# KiCad board austin.kicad_pcb (continued)
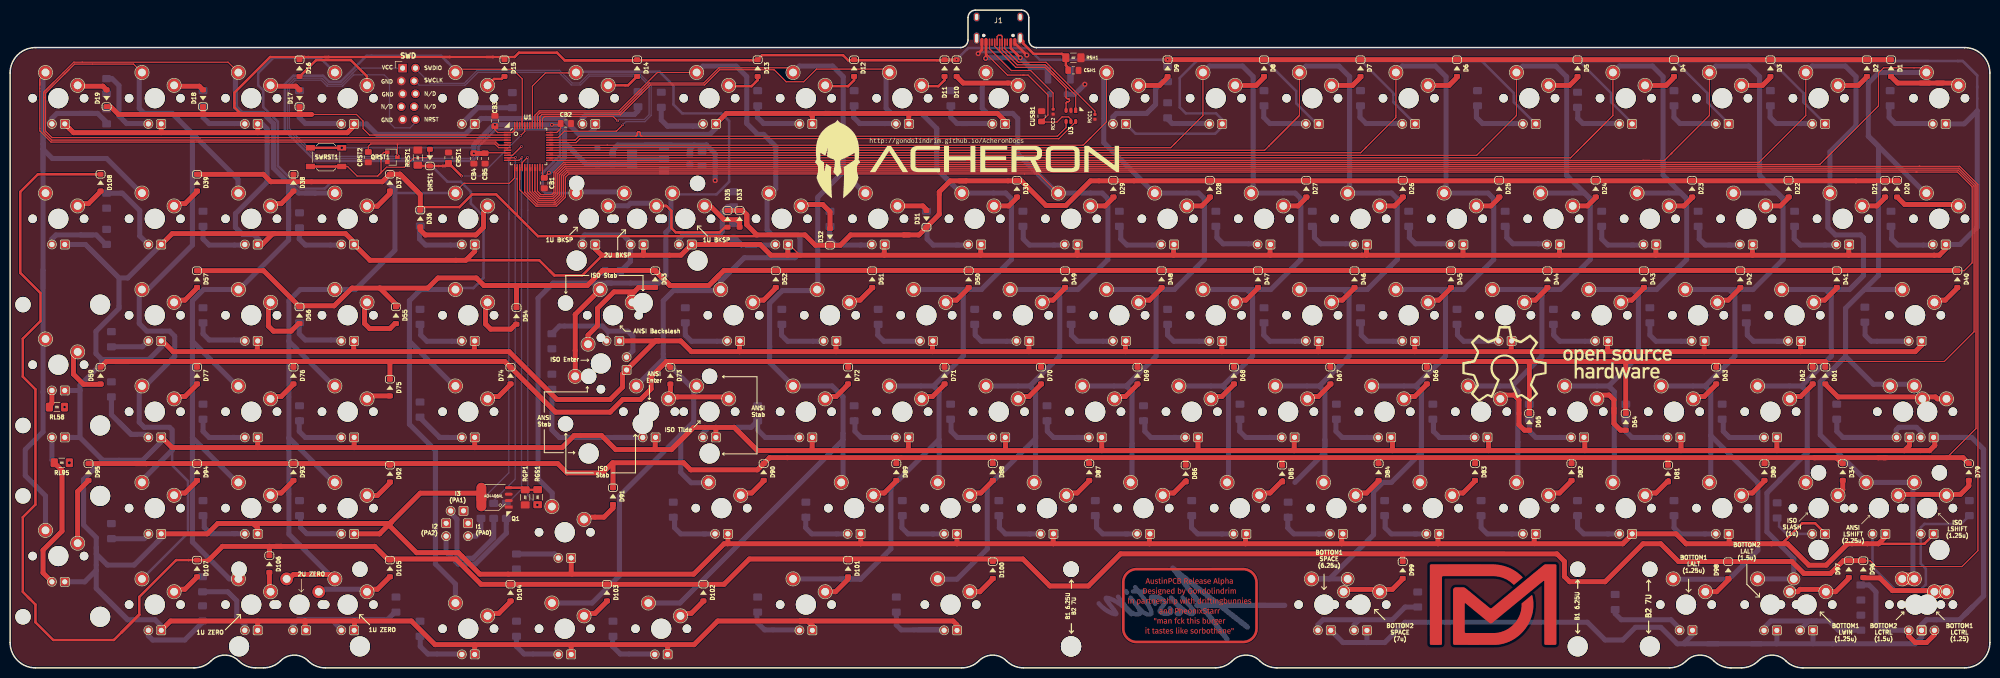
[diagram p0: board, top side]
## Routing (per net, layer and track width the routed paths; a pad name or vN(x,y) marks a point on that pad's centre or on a via; arc(x,y) is an arc through that point) (continued)
  Top w0.5: 132.25,86.01 131.45,86.01 130.61,86.85 130.61,90.26 129.63,91.24 129.43,91.24 ; 132.25,86.01 132,86.01 ; 132.25,86.01 140.15,86.01 141.15,87.01 ; 129.43,91.24 128.6,91.24 ; 129.43,91.24 SW34.2
  Bottom w1: 118.25,91.26 122,91.26 122.5,91.76 126.75,91.76
Net-(D36-Pad2): length 18.7
  Top w0.25: 93.5,90.01 94.3,90.81 SW36.2
  Top w1: 93.5,90.01 93.5,87.01 92,85.51 82,85.51 81,86.51 D36.2
Net-(D37-Pad2): length 5.9
  Top w0.25: 75.01,93.67 75,93.66
  Top w1: 75,93.66 72.53,91.19 70.62,91.19 ; D37.2 75.01,93.67
Net-(D38-Pad2): length 5.4
  Top w1: 56,94.16 53.53,91.69 51.62,91.69
Net-(D39-Pad2): length 5.4
  Top w1: 32.62,91.69 34.53,91.69 37,94.16
Net-(D40-Pad2): length 5.4
  Top w1: 380.28,72.64 382.19,72.64 384.66,75.11
Net-(D41-Pad2): length 5.4
  Top w1: 360.85,75.11 358.38,72.64 356.47,72.64
Net-(D42-Pad2): length 5.4
  Top w1: 337.42,72.64 339.33,72.64 341.8,75.11
Net-(D43-Pad2): length 5.4
  Top w1: 322.75,75.11 320.28,72.64 318.37,72.64
Net-(D44-Pad2): length 5.4
  Top w1: 299.32,72.64 301.23,72.64 303.7,75.11
Net-(D45-Pad2): length 5.4
  Top w1: 284.65,75.11 282.18,72.64 280.27,72.64
Net-(D46-Pad2): length 5.4
  Top w1: 261.22,72.64 263.13,72.64 265.6,75.11
Net-(D47-Pad2): length 5.4
  Top w1: 242.17,72.64 244.08,72.64 246.55,75.11
Net-(D48-Pad2): length 5.4
  Top w1: 227.5,75.11 225.03,72.64 223.12,72.64
Net-(D49-Pad2): length 5.4
  Top w1: 208.45,75.11 205.98,72.64 204.07,72.64
Net-(D50-Pad2): length 5.4
  Top w1: 189.4,75.11 186.93,72.64 185.02,72.64
Net-(D51-Pad2): length 5.4
  Top w1: 170.35,75.11 167.88,72.64 165.97,72.64
Net-(D52-Pad2): length 5.4
  Top w1: 146.92,72.64 148.83,72.64 151.3,75.11
Net-(D53-Pad2): length 25.3
  Top w1: 123.1,72.64 125.02,72.64 ; SW113.2 114.14,65.73 116,67.59 116,71.01 119.25,74.26 123.25,74.26 ; 123.25,74.26 124.13,75.14 D53.2 ; 123.25,74.26 122.31,73.32 122.31,72.19
Net-(D54-Pad2): length 12.2
  Top w1: 99.9,67.91 98.9,66.91 94.9,66.91 93.9,67.91 93.9,69.91 ; 93.9,69.91 93.9,70.91 ; 93.9,69.91 93.9,71.41 94.5,72.01
Net-(D55-Pad2): length 12.5
  Top w1: 76,68.01 75,67.01 71,67.01 70,68.01 70,69.51 ; 70,69.51 70,71.01 ; 70,69.51 70,71.51 70.5,72.01
Net-(D56-Pad2): length 10.5
  Top w1: 57,68.01 55.5,66.51 52,66.51 51,67.51 51,71.01
Net-(D57-Pad2): length 5.4
  Top w1: 32.62,72.64 34.53,72.64 37,75.11
Net-(D59-Pad2): length 11.1
  Top w1: SW59.2 12.5,61.58 12.5,58.01 14.5,56.01 18,56.01
Net-(D61-Pad2): length 24.9
  Top w0.25: SW60.2 376.87,53.14 376.5,53.51
  Top w1: 358.5,56.01 361,53.51 376.5,53.51 ; 378,53.51 380.26,53.51 380.63,53.14 SW61.2
Net-(D62-Pad2): length 5.4
  Top w1: 356.09,56.06 353.62,53.59 351.7,53.59
Net-(D63-Pad2): length 5.4
  Top w1: 337.04,56.06 334.56,53.59 332.65,53.59
Net-(D64-Pad2): length 12.9
  Top w1: 313.13,52.98 314.03,53.88 315.81,53.88 316.75,52.93 316.75,51.26 ; D64.2 318.06,46.95 316.75,48.26 316.75,51.26 ; 316.75,50.26 316.75,51.26
Net-(D65-Pad2): length 11.8
  Top w1: 294.38,52.98 295.28,53.88 297.06,53.88 298,52.93 298,48.01 299.06,46.95 D65.2
Net-(D66-Pad2): length 5.4
  Top w1: 275.5,53.59 277.42,53.59 279.89,56.06
Net-(D67-Pad2): length 5.4
  Top w1: 256.45,53.59 258.37,53.59 260.84,56.06
Net-(D68-Pad2): length 5.4
  Top w1: 241.79,56.06 239.31,53.59 237.4,53.59
Net-(D69-Pad2): length 5.4
  Top w1: 218.35,53.59 220.27,53.59 222.74,56.06
Net-(D70-Pad2): length 5.4
  Top w1: 199.3,53.59 201.22,53.59 203.69,56.06
Net-(D71-Pad2): length 5.4
  Top w1: 184.64,56.06 182.17,53.59 180.25,53.59
Net-(D72-Pad2): length 5.4
  Top w1: 165.59,56.06 163.12,53.59 161.2,53.59
Net-(D73-Pad2): length 15
  Top w1: D73.2 130.4,53.14 ; 130.02,53.51 141,53.51 141.37,53.14 SW114.2
Net-(D74-Pad2): length 5.4
  Top w1: 94.53,53.59 96.44,53.59 98.91,56.06
Net-(D75-Pad2): length 4.8
  Top w0.25: 71.2,53.71 70.5,53.01
  Top w1: D75.2 71.2,53.71
Net-(D76-Pad2): length 5.4
  Top w1: 56,56.06 53.53,53.59 51.62,53.59
Net-(D77-Pad2): length 5.4
  Top w1: 32.62,53.59 34.53,53.59 37,56.06
Net-(D79-Pad2): length 15.8
  Top w1: SW58.2 373.32,34.09 373.51,34.28 385.19,34.28 386.84,35.93 D79.2
Net-(D80-Pad2): length 5.4
  Top w1: 342.18,34.54 344.09,34.54 346.56,37.01
Net-(D81-Pad2): length 5.4
  Top w1: 327.51,37.01 325.04,34.54 323.13,34.54
Net-(D82-Pad2): length 5.4
  Top w1: 308.46,37.01 305.99,34.54 304.08,34.54
Net-(D83-Pad2): length 5.4
  Top w1: 289.41,37.01 286.94,34.54 285.03,34.54
Net-(D84-Pad2): length 5.4
  Top w1: 270.36,37.01 267.89,34.54 265.98,34.54
Net-(D85-Pad2): length 5.4
  Top w1: 246.93,34.54 248.84,34.54 251.31,37.01
Net-(D86-Pad2): length 5.4
  Top w1: 232.26,37.01 229.79,34.54 227.88,34.54
Net-(D87-Pad2): length 5.4
  Top w1: 208.83,34.54 210.74,34.54 213.21,37.01
Net-(D88-Pad2): length 5.4
  Top w1: 189.78,34.54 191.69,34.54 194.16,37.01
Net-(D89-Pad2): length 5.4
  Top w1: 170.73,34.54 172.64,34.54 175.11,37.01
Net-(D90-Pad2): length 5.4
  Top w1: 148.92,37.01 146.45,34.54 144.54,34.54
Net-(D91-Pad2): length 6.9
  Top w1: 113.58,29.77 117.29,29.77 119.06,31.55 D91.2
Net-(D92-Pad2): length 5.4
  Top w1: 75,36.51 72.53,34.04 70.62,34.04
Net-(D93-Pad2): length 5.4
  Top w1: 51.62,34.54 53.53,34.54 56,37.01
Net-(D94-Pad2): length 5.4
  Top w1: 32.62,34.54 34.53,34.54 37,37.01
Net-(D95-Pad2): length 13.3
  Top w1: SW95.2 13.34,34.84 15.5,37.01
Net-(D96-Pad2): length 16.8
  Top w0.25: 379.22,15.04 379,15.26
  Top w1: 366,17.76 369.25,17.76 371.75,15.26 379,15.26
  Top w2.54: SW109.2 382.5,15.04
Net-(D97-Pad2): length 14
  Top w0.5: SW97.2 357.47,15.04
  Top w1: SW97.2 360.53,15.04 363,17.51 ; 358.5,15.01 358,15.51 353.5,15.51 353.03,15.04 SW110.2
Net-(D98-Pad2): length 5.4
  Top w1: 335.12,15.04 337.03,15.04 339.5,17.51
Net-(D99-Pad2): length 12.5
  Top w1: 275,17.51 273,15.51 264,15.51 263.5,15.01
Net-(D100-Pad2): length 5.4
  Top w1: 189.62,15.04 191.53,15.04 194,17.51
Net-(D101-Pad2): length 5.4
  Top w1: 161.12,15.04 163.03,15.04 165.5,17.51
Net-(D102-Pad2): length 5.4
  Top w1: 132.62,10.77 134.53,10.77 137,13.25
Net-(D103-Pad2): length 5.4
  Top w1: 113.62,10.77 115.53,10.77 118,13.25
Net-(D104-Pad2): length 5.4
  Top w1: 94.62,10.77 96.53,10.77 99,13.25
Net-(D105-Pad2): length 14.4
  Top w1: 70.62,15.54 72.53,15.54 75,18.01
  Bottom w1: 61.5,15.51 70.5,15.51
Net-(D106-Pad2): length 3.6
  Top w1: D106.2 51.2,15.31
Net-(D107-Pad2): length 5.4
  Top w1: 37,18.01 34.53,15.54 32.62,15.54
Net-(D108-Pad2): length 5.4
  Top w1: 17.95,94.16 15.48,91.69 13.57,91.69
Net-(DRST1-Pad2): length 32.7
  Top w0.25: SWRST1.2 66.65,99.02 68.52,97.14 72.6,97.14 ; QRST1.1 73.79,101.82 73.25,101.28 73.25,97.8 72.6,97.14 ; 72.6,97.14 74.34,98.89 77.88,98.89 79.75,100.76 82.25,100.76 82.75,101.26 82.75,102.51
  Top w0.5: 65.18,99.02 SWRST1.2
Net-(J1-PadA5): length 25.4
  Top w0.25: J1.A5 196.43,122.32 199.14,119.62 204.6,119.62 214.25,109.97 214.25,109.33
Net-(J1-PadB5): length 21.2
  Top w0.25: J1.B5 193.43,122.28 197.74,117.97 201.55,117.97 205.99,113.53 205.99,110.35
Net-(LED1-PadA): length 11.3
  Bottom w1: 371.1,111.02 371.1,108.72 372.31,107.51 379.57,107.51
Net-(LED2-PadA): length 11.2
  Bottom w1: 353.62,107.51 355.76,107.51 ; 347.6,111.02 347.6,108.72 348.81,107.51 353.81,107.51
Net-(LED3-PadA): length 11.2
  Bottom w1: 328.6,111.02 328.6,108.72 329.81,107.51 337,107.51
Net-(LED4-PadA): length 10.5
  Bottom w1: 309.6,110.82 309.6,108.52 310.61,107.51 317.38,107.51
Net-(LED5-PadA): length 12.1
  Bottom w1: 289.6,111.02 289.6,108.72 290.81,107.51 298.85,107.51
Net-(LED6-PadA): length 11.2
  Bottom w1: 266.6,111.02 266.6,108.72 267.81,107.51 275,107.51
Net-(LED7-PadA): length 11
  Bottom w1: 247.6,111.02 247.6,108.72 248.81,107.51 255.75,107.51
Net-(LED8-PadA): length 8.9
  Bottom w1: 237,107.51 229.5,107.51 228.5,108.51
Net-(LED9-PadA): length 16.9
  Bottom w1: LED9.A 217.81,108.81 218.5,109.51 224.46,109.51 226.22,111.27 226.22,114.38 227.62,115.78 228.6,115.78
Net-(LED10-PadA): length 12
  Bottom w1: 194,107.51 189,107.51 ; 189,107.51 187,107.51 185.8,108.71 RL10.2 ; 189,107.51 188,107.51
Net-(LED11-PadA): length 11.2
  Bottom w1: 166.6,111.02 166.6,108.72 167.81,107.51 175,107.51
Net-(LED12-PadA): length 11
  Bottom w1: 153.81,107.51 148.81,107.51 147.6,108.72 147.6,111.02 ; 155,107.51 156,107.51 ; 154.09,107.51 155.09,107.51
Net-(LED13-PadA): length 17.2
  Bottom w1: 128.6,110.52 128.6,108.22 129.81,107.01 ; 129.81,107.01 135.81,107.01 ; 129.81,107.01 136.25,107.01 136.75,107.51
Net-(LED14-PadA): length 13.4
  Bottom w1: RL14.2 124,110.01 123.3,109.31 113.8,109.31 113,108.51 113,107.51
Net-(LED15-PadA): length 11.2
  Bottom w1: RL15.2 92.37,110.64 89.28,107.56
Net-(LED16-PadA): length 11.2
  Bottom w1: 57.1,111.02 57.1,108.72 58.31,107.51 65.48,107.51
Net-(LED17-PadA): length 11.1
  Bottom w1: RL17.2 38.1,108.72 39.31,107.51 46.43,107.51
Net-(LED18-PadA): length 16.1
  Bottom w1: RL18.2 20.13,116.38 21.5,115.01 21.5,109.01 23,107.51 25.75,107.51 ; 25.75,107.51 26.5,107.51 ; 25.75,107.51 27.25,107.51
Net-(LED19-PadA): length 15.6
  Bottom w1: LED19.A 8.25,108.51 9.25,109.51 13.67,109.51 ; 13.67,109.51 17.29,109.51 19.05,107.75 ; 13.67,109.51 16.25,109.51
Net-(LED20-PadA): length 12
  Bottom w1: 379,83.51 380,83.51 ; 371.6,87.02 371.6,84.72 372.81,83.51 379.81,83.51
Net-(LED21-PadA): length 12
  Bottom w1: 359.75,83.51 360.75,83.51 ; 358.56,83.51 353.56,83.51 352.35,84.72 352.35,87.02 ; 358.38,83.51 360.38,83.51
Net-(LED22-PadA): length 11
  Bottom w1: 339.81,83.51 334.81,83.51 333.6,84.72 333.6,87.02 ; 339.33,83.51 341.33,83.51
Net-(LED23-PadA): length 11
  Bottom w1: 314.35,87.02 314.35,84.72 315.56,83.51 320.56,83.51 ; 320.28,83.51 322.28,83.51
Net-(LED24-PadA): length 10.8
  Bottom w1: 295.6,87.27 295.6,84.97 296.81,83.76 303.61,83.76
Net-(LED25-PadA): length 10.8
  Bottom w1: 282.56,83.76 277.56,83.76 276.35,84.97 276.35,87.27 ; 282.76,83.76 284.56,83.76
Net-(LED26-PadA): length 10.8
  Bottom w1: 263.81,83.76 258.81,83.76 257.6,84.97 257.6,87.27 ; 263.71,83.76 265.51,83.76
Net-(LED27-PadA): length 10.9
  Bottom w1: 238.35,87.27 238.35,84.97 239.56,83.76 246.46,83.76
Net-(LED28-PadA): length 10.9
  Bottom w1: 219.35,87.02 219.35,84.72 220.56,83.51 227.41,83.51
Net-(LED29-PadA): length 10.9
  Bottom w1: 200.1,87.02 200.1,84.72 201.31,83.51 206.31,83.51 ; 205.98,83.51 207.83,83.51
Net-(LED30-PadA): length 10.9
  Bottom w1: 187.31,83.51 182.31,83.51 181.1,84.72 181.1,87.02 ; 186.93,83.51 188.78,83.51
Net-(LED31-PadA): length 10.9
  Bottom w1: 161.85,87.02 161.85,84.72 163.06,83.51 168.06,83.51 ; 167.88,83.51 169.73,83.51
Net-(LED32-PadA): length 10.8
  Bottom w1: 145.25,83.51 147.21,83.51 ; 147.21,83.51 151,83.51 ; 147.21,83.51 144.49,83.51 142.88,85.12
Net-(LED33-PadA): length 16.8
  Bottom w1: RL33.2 141.68,91.08 140.65,90.04 140.65,86.16 140,85.51 132.89,85.51 132.08,84.7 LED33.A
Net-(LED34-PadA): length 17.8
  Bottom w1: 122.51,83.51 122.51,80.28 RL34.2 ; 122.5,84.01 121,85.51 113.5,85.51 113.03,85.04 LED35.A
Net-(LED36-PadA): length 11
  Bottom w1: 89,83.51 82.06,83.51 80.85,84.72 80.85,87.02
Net-(LED37-PadA): length 11
  Bottom w1: 57.1,87.02 57.1,84.72 58.31,83.51 65.25,83.51
Net-(LED38-PadA): length 11
  Bottom w1: 46.25,83.51 39.31,83.51 38.1,84.72 38.1,87.02
Net-(LED39-PadA): length 15.5
  Bottom w1: RL39.2 22.15,93.76 25.6,90.31 25.6,85.31 27.4,83.51
Net-(LED40-PadA): length 11.2
  Bottom w1: 374.75,64.51 367.56,64.51 366.35,65.72 366.35,68.02
Net-(LED41-PadA): length 11.3
  Bottom w1: 349.31,64.51 344.31,64.51 343.1,65.72 343.1,68.02 ; 348.92,64.51 350.04,64.51 ; 350.11,64.51 351.23,64.51
Net-(LED42-PadA): length 11.1
  Bottom w1: 323.85,68.02 323.85,65.72 325.06,64.51 332.18,64.51
Net-(LED43-PadA): length 11.1
  Bottom w1: 304.85,68.02 304.85,65.72 306.06,64.51 312.06,64.51 ; 312.01,64.51 313.13,64.51
Net-(LED44-PadA): length 11.1
  Bottom w1: 285.85,68.02 285.85,65.72 287.06,64.51 293.06,64.51 ; 292.96,64.51 294.08,64.51
Net-(LED45-PadA): length 11.1
  Bottom w1: 266.85,68.02 266.85,65.72 268.06,64.51 274.06,64.51 ; 273.84,64.51 274.97,64.51
Net-(LED46-PadA): length 11.1
  Bottom w1: 254.81,64.51 248.81,64.51 247.6,65.72 247.6,68.02 ; 254.79,64.51 255.92,64.51
Net-(LED47-PadA): length 11.1
  Bottom w1: 235.81,64.51 229.81,64.51 228.6,65.72 228.6,68.02 ; 235.74,64.51 236.87,64.51
Net-(LED48-PadA): length 11.1
  Bottom w1: 216.81,64.51 210.81,64.51 209.6,65.72 209.6,68.02 ; 216.69,64.51 217.82,64.51
Net-(LED49-PadA): length 11.1
  Bottom w1: 190.6,68.02 190.6,65.72 191.81,64.51 197.81,64.51 ; 197.64,64.51 198.77,64.51
Net-(LED50-PadA): length 11.2
  Bottom w1: 171.35,68.02 171.35,65.72 172.56,64.51 179.75,64.51
Net-(LED51-PadA): length 11.1
  Bottom w1: 159.56,64.51 153.56,64.51 152.35,65.72 152.35,68.02 ; 159.54,64.51 160.67,64.51
Net-(LED52-PadA): length 11.1
  Bottom w1: 133.35,68.02 133.35,65.72 134.56,64.51 141.68,64.51
Net-(LED54-PadA): length 11
  Bottom w1: 81.1,68.02 81.1,65.72 82.31,64.51 89.3,64.51
Net-(LED55-PadA): length 11.2
  Bottom w1: 57.1,68.27 57.1,65.97 58.31,64.76 65.48,64.76
Net-(LED56-PadA): length 11
  Bottom w1: 38.1,68.27 38.1,65.97 39.31,64.76 46.31,64.76
Net-(LED57-PadA): length 7.9
  Bottom w1: RL57.2 26.11,63.42 27.4,64.71
Net-(LED58-PadA): length 3.5
  Top w1: RL58.2 7.76,51.77 8.25,52.26 LED58.A
Net-(LED59-PadA): length 41.7
  Bottom w0.5: LED79.A 367.82,19.92 372.41,15.33 377.22,15.33 378.36,16.47 378.36,19.57 377.34,20.59 LED59.A 377.34,27.7 378.08,28.44 385.32,28.44 386.97,30.09
Net-(LED60-PadA): length 22.7
  Bottom w1: 360.77,49.02 360.77,46.72 361.97,45.52 LED60.A ; LED61.A 377.35,46.66 376.5,47.51 373,47.51 372.5,47.01 372.5,45.51
Net-(LED62-PadA): length 10.9
  Bottom w1: 338.35,49.02 338.35,46.72 339.56,45.51 346.47,45.51
Net-(LED63-PadA): length 10.9
  Bottom w1: 325.31,45.51 320.31,45.51 319.1,46.72 319.1,49.02 ; 325.04,45.51 326.95,45.51
Net-(LED64-PadA): length 10.9
  Bottom w1: 300.1,49.02 300.1,46.72 301.31,45.51 306.31,45.51 ; 305.99,45.51 307.9,45.51
Net-(LED65-PadA): length 10.9
  Bottom w1: 287.31,45.51 282.31,45.51 281.1,46.72 281.1,49.02 ; 286.94,45.51 288.85,45.51
Net-(LED66-PadA): length 10.9
  Bottom w1: 261.85,49.02 261.85,46.72 263.06,45.51 268.06,45.51 ; 267.89,45.51 269.8,45.51
Net-(LED67-PadA): length 10.9
  Bottom w1: 242.85,49.02 242.85,46.72 244.06,45.51 249.06,45.51 ; 248.84,45.51 250.75,45.51
Net-(LED68-PadA): length 10.9
  Bottom w1: 230.31,45.51 225.31,45.51 224.1,46.72 224.1,49.02 ; 229.79,45.51 231.7,45.51
Net-(LED69-PadA): length 10.9
  Bottom w1: 211.06,45.51 206.06,45.51 204.85,46.72 204.85,49.02 ; 210.74,45.51 212.65,45.51
Net-(LED70-PadA): length 10.9
  Bottom w1: 192.06,45.51 187.06,45.51 185.85,46.72 185.85,49.02 ; 191.69,45.51 193.6,45.51
Net-(LED71-PadA): length 10.5
  Bottom w1: 166.85,49.02 166.85,46.72 168.06,45.51 174.5,45.51
Net-(LED73-PadA): length 31.1
  Bottom w1: 125.25,45.51 123.5,45.51 ; RL73.2 107,47.01 108.5,45.51 123.5,45.51 ; 123.5,45.51 119.25,45.51
Net-(LED74-PadA): length 11.7
  Bottom w1: 86.59,45.51 84.86,45.51 ; 86.59,45.51 84.86,45.51 ; 86.59,45.51 89.3,45.51 ; 84.86,45.51 80.96,49.41
Net-(LED75-PadA): length 11.2
  Bottom w1: 57.1,49.02 57.1,46.72 58.31,45.51 65.48,45.51
Net-(LED76-PadA): length 11.2
  Bottom w1: 38.1,49.02 38.1,46.72 39.31,45.51 44.31,45.51 ; 44.05,45.51 46.23,45.51
Net-(LED77-PadA): length 16
  Bottom w0.25: 26.5,46.13 26.63,46.13
  Bottom w1: 23.88,46.13 21.5,48.51 ; 23.88,46.13 20,50.01 RL77.2 ; 23.88,46.13 26.5,46.13 ; 26.63,46.13 27.25,45.51
Net-(LED78-PadA): length 5.2
  Bottom w1: LED78.A 8.25,41.05 8.8,40.51
Net-(LED80-PadA): length 10.9
  Bottom w1: 334.57,26.46 336.48,26.46 ; 328.62,29.97 328.62,27.67 329.83,26.46 334.83,26.46
Net-(LED81-PadA): length 10.9
  Bottom w1: 315.78,26.46 310.78,26.46 309.57,27.67 309.57,29.97 ; 315.52,26.46 317.43,26.46
Net-(LED82-PadA): length 10.9
  Bottom w1: 296.73,26.46 291.73,26.46 290.53,27.67 290.53,29.97 ; 296.47,26.46 298.38,26.46
Net-(LED83-PadA): length 10.9
  Bottom w1: 271.57,29.97 271.57,27.67 272.78,26.46 277.78,26.46 ; 277.42,26.46 279.33,26.46
Net-(LED84-PadA): length 10.9
  Bottom w1: 258.53,26.46 253.53,26.46 252.32,27.67 252.32,29.97 ; 258.37,26.46 260.28,26.46
Net-(LED85-PadA): length 10.9
  Bottom w1: 239.53,26.46 234.53,26.46 233.32,27.67 233.32,29.97 ; 239.32,26.46 241.23,26.46
Net-(LED86-PadA): length 10.9
  Bottom w1: 214.57,29.97 214.57,27.67 215.78,26.46 220.78,26.46 ; 220.27,26.46 222.18,26.46
Net-(LED87-PadA): length 10.9
  Bottom w1: 201.58,26.46 196.58,26.46 195.38,27.67 195.38,29.97 ; 201.22,26.46 203.13,26.46
Net-(LED88-PadA): length 10.9
  Bottom w1: 182.33,26.46 177.33,26.46 176.12,27.67 176.12,29.97 ; 182.17,26.46 184.08,26.46
Net-(LED89-PadA): length 10.9
  Bottom w1: 157.12,29.97 157.12,27.67 158.33,26.46 163.33,26.46 ; 163.12,26.46 165.03,26.46
Net-(LED90-PadA): length 10.9
  Bottom w1: 131.23,29.97 131.23,27.67 132.44,26.46 137.44,26.46 ; 136.92,26.46 138.83,26.46
Net-(LED91-PadA): length 8.9
  Bottom w1: RL91.2 107.51,22.5 108.5,21.51
Net-(LED92-PadA): length 10.9
  Bottom w1: 57.35,30.02 57.35,27.72 58.56,26.51 65.48,26.51
Net-(LED93-PadA): length 10.9
  Bottom w1: 38.35,30.02 38.35,27.72 39.56,26.51 44.56,26.51 ; 44.05,26.51 45.98,26.51
Net-(LED94-PadA): length 7.9
  Bottom w1: 27.5,26.51 26.51,25.52 RL94.2
Net-(LED95-PadA): length 26.4
  Top w1: 8.25,17.01 6.5,18.76 6.5,23.26 10.25,27.01 10.25,38.97 RL95.2
Net-(LED96-PadA): length 8.9
  Bottom w0.5: 349.38,29.71 349.38,27.93 350.84,26.47 LED96.A
Net-(LED98-PadA): length 15.1
  Bottom w1: RL98.2 317,10.71 318.2,9.51 328,9.51 330,7.51
Net-(LED100-PadA): length 16.4
  Bottom w1: 183.5,7.51 176,7.51 175.02,8.49 RL100.2 ; 183.5,7.51 179.25,7.51 ; 183.5,7.51 184.25,7.51
Net-(LED101-PadA): length 10.9
  Bottom w1: 147.5,11.01 147.5,9.01 149,7.51 155.75,7.51
Net-(LED102-PadA): length 10.9
  Bottom w1: 119,6.25 119,4.25 120.5,2.75 127.25,2.75
Net-(LED103-PadA): length 10.9
  Bottom w1: 108.25,2.75 101.5,2.75 100,4.25 100,6.25
Net-(LED104-PadA): length 10.9
  Bottom w1: 89.25,2.75 82.5,2.75 81,4.25 81,6.25
Net-(LED105-PadA): length 25.1
  Bottom w1: LED112.A 55.88,8.5 56.89,9.51 63.5,9.51 ; 63.5,9.51 65.5,7.51 ; 63.5,9.51 74.5,9.51 76,11.01
Net-(LED106-PadA): length 16
  Bottom w1: RL106.2 42.99,15.02 44.75,13.26 44.75,10.1 46.36,8.5 ; LED106.A 46.36,8.5 ; 46.36,8.5 44.92,9.93
Net-(LED107-PadA): length 13.6
  Bottom w1: LED107.A 27.31,6.34 28.14,5.51 34.5,5.51 38,9.01
Net-(LED108-PadA): length 15.2
  Bottom w1: 14,85.51 9.06,85.51 8.25,84.7 LED108.A ; 14,85.51 17,85.51 19,83.51 ; 14,85.51 16.25,85.51
Net-(LED109-PadA): length 25.1
  Top w1: LED113.A 374.97,6.29 376.25,5.01 378.5,5.01 380,6.51 380,7.51
  Bottom w1: RL96.2 367.14,16.37 368.5,15.01 368.5,8.83 369.91,7.42 373.88,7.42 373.89,7.41 LED113.A
Net-(LED110-PadA): length 25
  Bottom w1: RL97.2 361.07,7.44 359.25,9.26 356.75,9.26 ; 353.5,7.51 355.25,9.26 356.75,9.26 ; 346,7.51 347.75,9.26 356.75,9.26
Net-(LED111-PadA): length 25.3
  Bottom w1: LED111.A 265.43,8.49 266.45,9.51 266.5,9.51 ; 278,12.01 275.5,12.01 273,9.51 266.5,9.51 ; 266.5,9.51 259.3,9.51 258.29,8.5 LED99.A ; 258.5,7.51 258,7.51
Net-(LED114-PadA): length 24.1
  Bottom w0.5: 118,66.51 118,64.51
  Bottom w1: LED114.A 123,62.63 123,65.51 122,66.51 118,66.51 117,67.51 108.5,67.51 107,66.01
Net-(LED115-PadA): length 23.9
  Bottom w1: 154.56,45.51 149.15,45.51 147.64,47.02 RL72.2 146.35,47.51 138,47.51 136.84,46.35 LED115.A ; 153.59,45.51 155.5,45.51
Net-(LEDCAPS1-PadA): length 22.7
  Bottom w1: 95.5,29.51 95.5,25.71 91.43,21.64 88.97,21.64 88.25,22.36 88.25,29.37 87,30.62 LEDCAPS1.A 87,30.51
Net-(LEDNUM1-PadA): length 21.5
  Bottom w0.25: 98.26,30.17 98.2,30.11
  Bottom w1: LEDNUM1.A 86.11,22.9 88.5,20.51 91.9,20.51 98,26.61 98,29.51
Net-(LEDSCRL1-PadA): length 5.5
  Bottom w1: LEDSCRL1.A 91.99,26.02 92.98,27.01 92.98,29.49 93,29.51
Net-(Q1-Pad4): length 5.8
  Top w0.5: 98.48,35.58 101.13,35.58 101.5,35.21 ; 104.11,35.16 101.5,35.16
Net-(U1-Pad5): length 0.7
  Top w0.25: U1.5 98.89,103.73

## Copper pours and planes (outline as drawn; the poured copper is in the pictures)
5V on Bottom: -1,123.51 185.02,124.06 185.02,121.58 205.34,121.58 205.34,124.06 207.25,124.06 392,123.51 392,-0.49 -2.56,-0.49
GND on Top: -1,123.51 186.95,124.07 203.95,124.07 392,123.51 392,-0.49 -2.56,-0.49
Net-(CSH1-Pad2) on Bottom: 187.5,130.51 203.5,130.51 203.44,122.73 187.44,122.73

## Text on the board
Dwgs.User: These values were the default values used when possible. | These are general hints to use this PCB file. They are aimed specially at those / new to KiCad or ECAD in general, and to whoever wishes to use this project. | (I) If you want to check or reroute a specific trace, I recommend using the / High Contrast mode. Turn it on by going in the View menu, "Contrast mode" / and checking the "High contrast mode". Alternatively you can press H. | (II) All footprints are available either in KiCad's own native libraries or the / Acheron Library (http://github.com/Gondolindrim/acheronLibrary). To facilitate / the portability of this project, the project footprint libraries are addressed / through a simbolic path, ${ACHERONLIB}$. So before modifying this PCB in / any way, please download the Acheron Library. Then, in this KiCad file, go to / "Preferences" and "Configure paths".  Click "Add". In the "Name" field write / "ACHERONLIB" and in the other field write the path to the directory where / the library is. Also check these settings for every fetch or pull you make, as / the settings will be changed to the ones I use everytime I push. | (III) For detailed information check the documentation: / http://gondolindrim.io/AcheronDocs/austin/index.html | (i) The grid unit value used was 19.05mm (approx. 3/4") | (ii) The PCB was designed to the standards of the JLCPCB (https://jlcpcb.com) manufacturer. / Be aware that capabilities may vary, so check with your manufacturer if they support the minimum values listed above. | (iii) All parts were quoted on LCSC supplier (https://lcsc.com/). / Also check if your supplier has all the parts listed on the Bill Of Materials and change the footprints and parts accordingly. | (iv) All measurements were done using the metric system, specially 0.1mm and 1mm grids. / The grid origin is on the center of the ESC key. | (v) You can always contact Gondolindrim through austinPCBs Github page (https://github.com/Gondolindrim/austin). / You can also contact driftingbunnies (the GB runner) and PheonixStarr through Discord. | (vi) JLCPCB states their minimum character width is 0.8mm, and anything below / that will be undiscernable. In my opinion you can go down to 0.5mm without / incurring in readability problems, although at that level you will need to / look closely to the PCB to read the characters. The minimum character height / at which there will certainly be easily redable to the naked eye  is 0.8mm indeed. | TRACE WIDTH: 0.25mm (approx. 10mil) | CLEARANCE: 0.13mm (approx. 5mil) | VIA HOLE SIZE (DRILL): 0.3mm | VIA DIAMETER: 0.5mm | VIA-TO-VIA AND VIA-TO-TRACE CLEARANCE: 0.25mm (approx. 10mil) | SILKSCREEN CHARACTER HEIGHT: 0.5mm (see General Observation (vi)) | SILKSCREEN CHARACTER TRACE WIDTH: 0.125mm | TRACE-TO-EDGE AND VIA-TO-EDGE DISTANCE: 0.2mm | TRACE WIDTH: 0.5mm (approx. 20 mil) | CLEARANCE: 0.25mm ( approx. 10 mil) | VIA HOLE SIZE (DRILL): 0.5mm | VIA DIAMETER: 1.0mm | VIA-TO-VIA AND VIA-TO-TRACE CLEARANCE: 0.25mm | TRACE-TO-EDGE AND VIA-TO-EDGE DISTANCE: 0.5mm | SILKSCREEN CHARACTER HEIGHT: 0.6mm | SILKSCREEN CHARACTER TRACE WIDTH: 0.15mm | USAGE GUIDE (PLEASE READ) | GENERAL OBSERVATIONS | MINIMUM VALUES | RECOMMENDED VALUES
Eco2.User: Case outer wall | Case inner wall | Slot limit | Connector slot / mid-line
F.SilkS: B1 6.25U / B2 7U | SWDIO | SWCLK | N/D | NRST | VCC | GND | I1 / (PA0) | 1U ZERO | 2U ZERO | I3 / (PA1) | ANSI / Stab | 1U BKSP | ISO Enter | ISO / Stab | ISO Stab | 2U BKSP | ANSI / Enter | ANSI Backslash | ISO Tilde | BOTTOM1 / SPACE / (6.25u) | BOTTOM2 / SPACE / (7u) | BOTTOM1 / LALT / (1.25u) | BOTTOM2 / LALT / (1.5u) | ISO / SLASH / (1u) | BOTTOM1 / LWIN / (1.25u) | ANSI / LSHIFT / (2.25u) | BOTTOM2 / LCTRL / (1.5u) | ISO / LSHIFT / (1.25u) | BOTTOM1 / LCTRL / (1.25) | I2 / (PA2) | B1 6.25U | SWD | B2 7U
